# Altium PCB NeuroPico Hub.PcbDoc (part 4 of 5)
Units mm, origin at the board's own origin, x right, y up, seen from the top; angles counter-clockwise.
Board outline 60 x 84 mm, 6 copper layers (Top Layer, Layer 2, Layer 3, Layer 4, Layer 5, Bottom Layer), stack 1.611 mm thick; 397 components, 237 nets, 1370 pads, 631 vias.
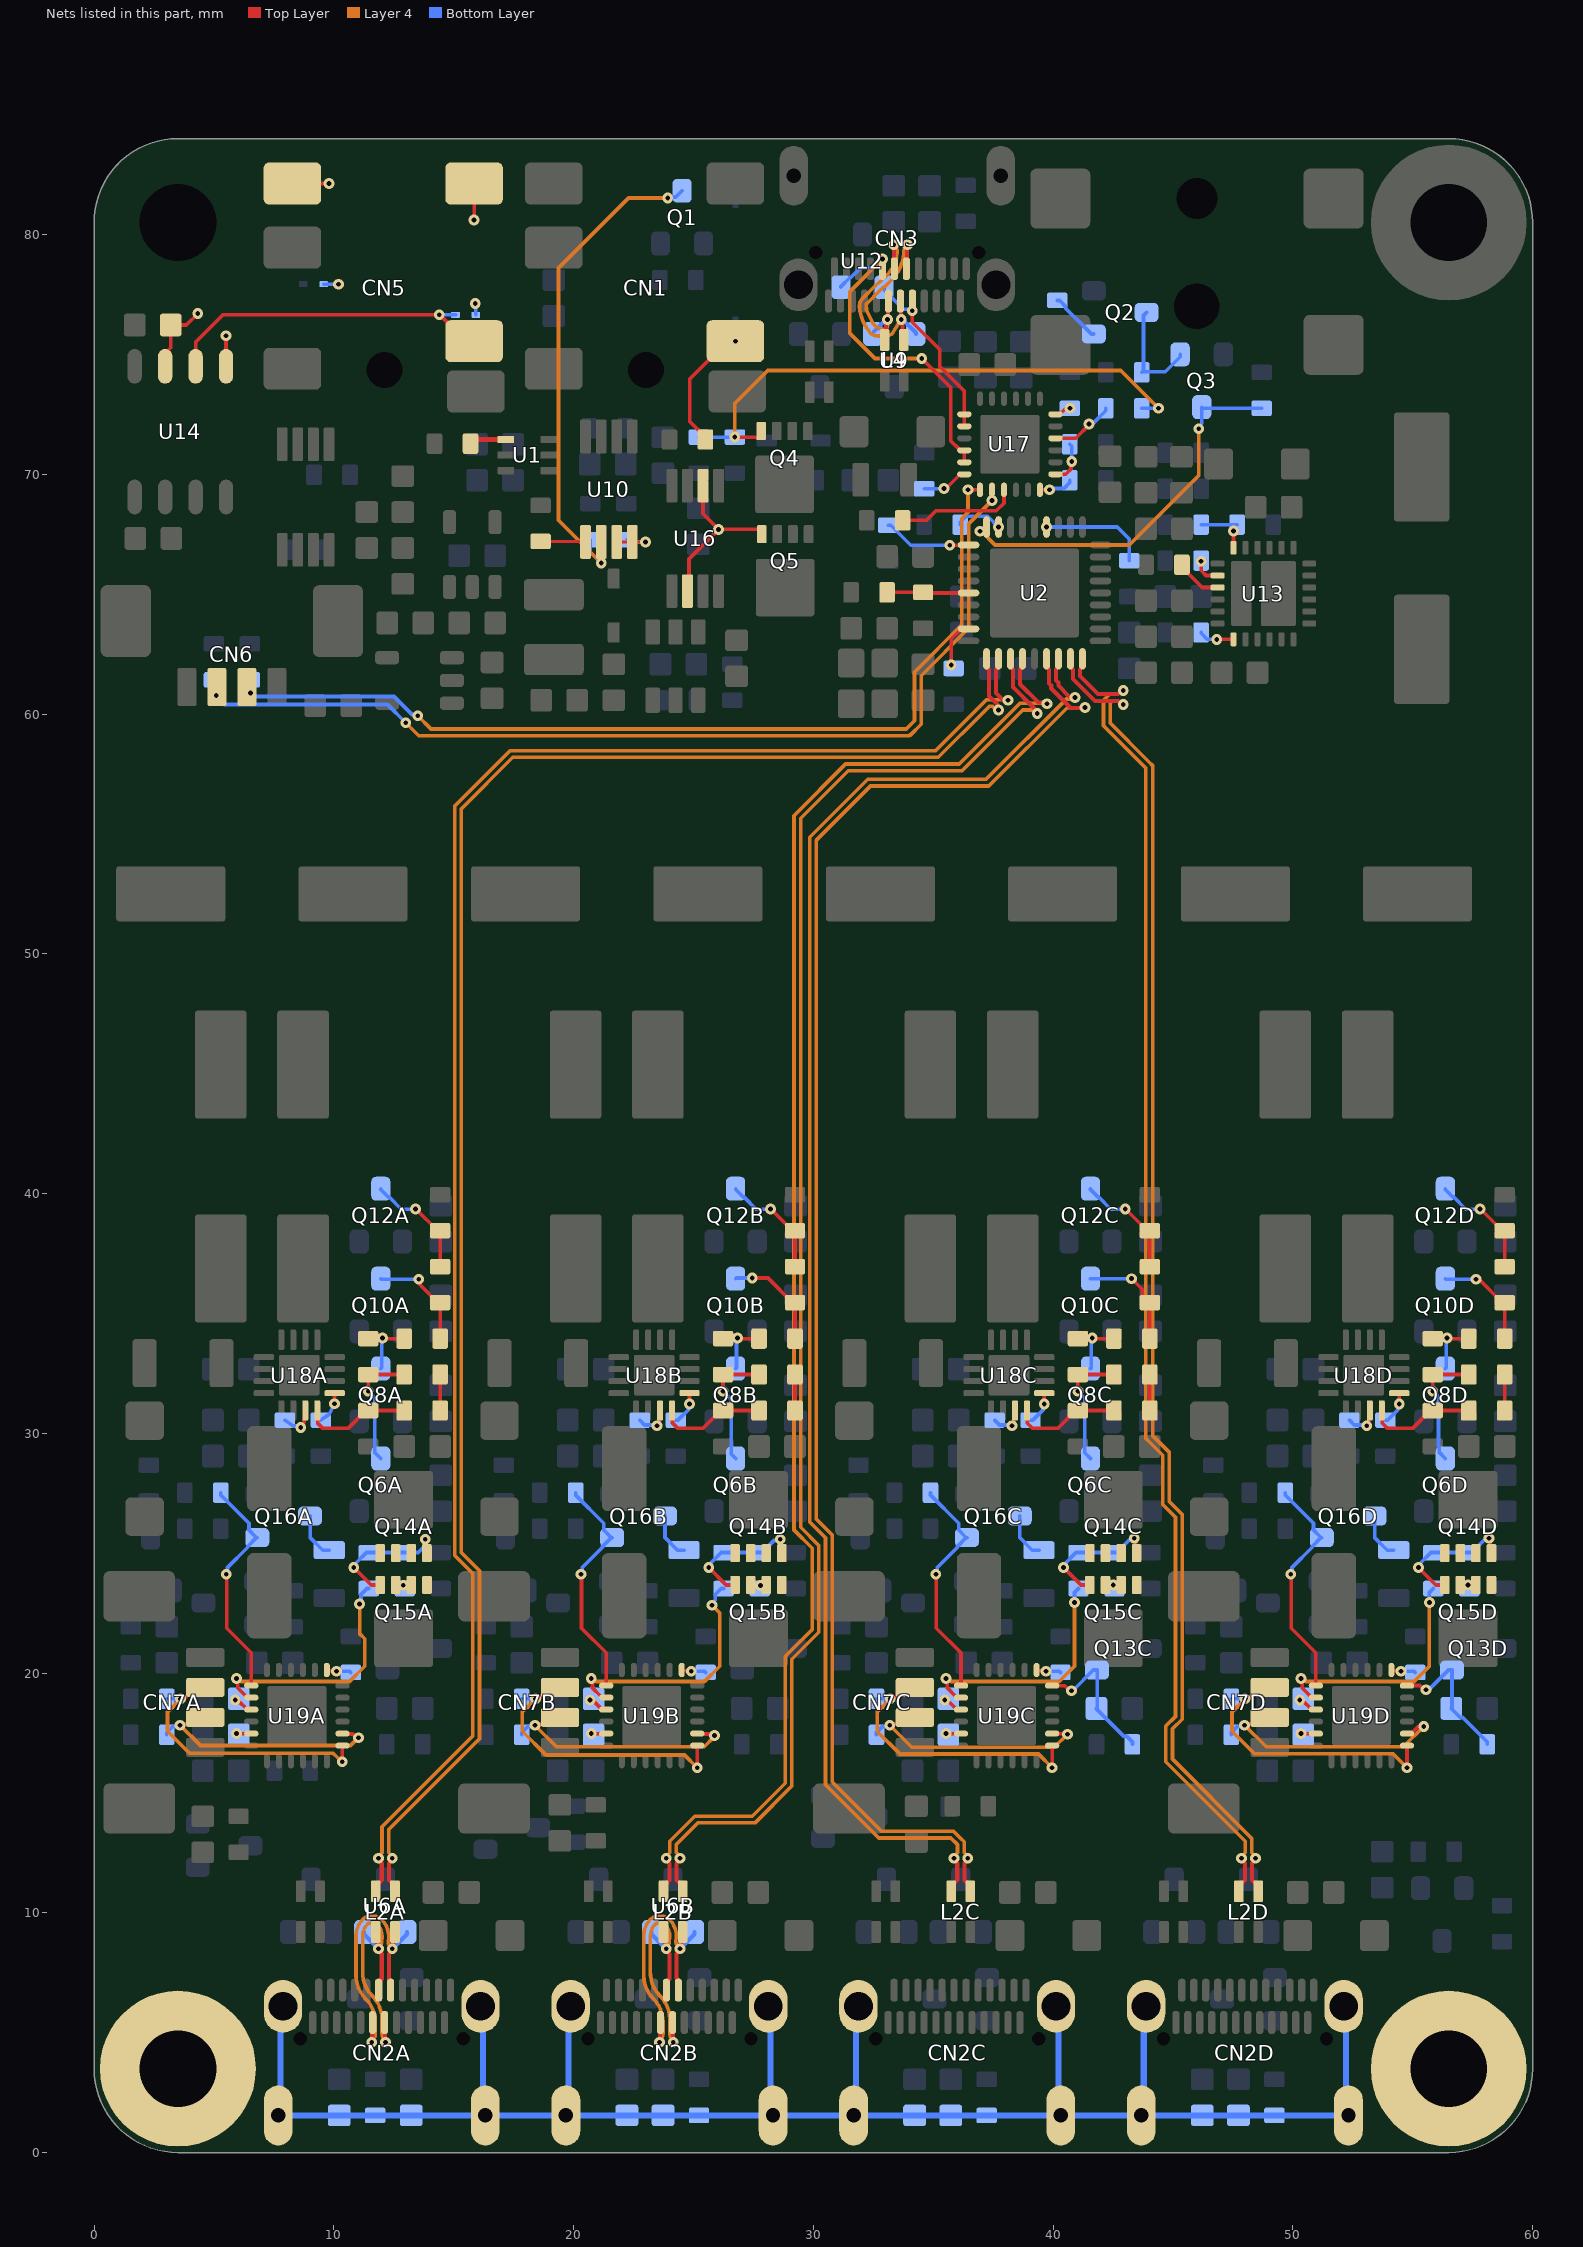
[diagram p8: the nets of this part, all layers, seen from the top]

## Via types
v1: diameter 0.45, hole 0.2, Top Layer to Bottom Layer, tented both sides, 570 vias
v2: diameter 0.5, hole 0.2, Top Layer to Bottom Layer, tented both sides, 38 vias
v3: diameter 0.61, hole 0.305, Top Layer to Bottom Layer, tented both sides, 23 vias

## Nets (pads, with @x,y where several pads share a name; then routed paths per layer and width w, separated by ;. In a path a pad name is that pad's centre, name@x,y a point inside that pad or via, vN(x,y) a via of type N, cw(c..) or ccw(c..) an arc to the next point about the centre after c; other vN are vias at no path point) (continued)
NetC62C_2: C62C.2 Q13C.1 R57C.1 U19C.12 | length 6
  Top Layer w0.152: U19C.12@40.1,19.475 40.489,19.475 40.698,19.265 v1(40.765,19.265)
  Bottom Layer w0.152: v1(40.765,19.265) 40.82,19.265 41.68,20.125 Q13C.1@41.835,20.125 41.835,18.55 C62C.2@41.81,18.525 41.81,18.5 42.939,17.371 43.062,17.371 43.31,17.122 R57C.1@43.31,17.025
NetC62D_2: C62D.2 Q13D.1 R57D.1 U19D.12 | length 6.1
  Top Layer w0.152: U19D.12@54.76,19.475 54.763,19.478 55.292,19.478 55.469,19.3 v1(55.55,19.3)
  Bottom Layer w0.152: v1(55.55,19.3) 55.607,19.357 55.723,19.357 56.491,20.125 Q13D.1@56.635,20.125 56.635,18.55 C62D.2@56.61,18.525 56.61,18.52 56.981,18.149 57.086,18.149 58.11,17.125 R57D.1@58.11,17.025
NetC65A_1: C65A.1 U19A.23 | length 0.6
  Top Layer w0.152: v1(5.935,17.475) U19A.23@6.56,17.475
NetC65B_1: C65B.1 U19B.23 | length 0.6
  Top Layer w0.152: v1(20.735,17.475) U19B.23@21.36,17.475
NetC65C_1: C65C.1 U19C.23 | length 0.6
  Top Layer w0.152: v1(35.535,17.475) U19C.23@36.16,17.475
NetC65D_1: C65D.1 U19D.23 | length 0.6
  Top Layer w0.152: v1(50.335,17.475) U19D.23@50.96,17.475
NetC66A_1: C66A.1 U19A.21 | length 0.8
  Top Layer w0.152: v1(5.885,18.875) 5.985,18.875 6.385,18.475 U19A.21@6.56,18.475
NetC66B_1: C66B.1 U19B.21 | length 0.8
  Top Layer w0.152: v1(20.685,18.875) 20.785,18.875 21.185,18.475 U19B.21@21.36,18.475
NetC66C_1: C66C.1 U19C.21 | length 0.8
  Top Layer w0.152: v1(35.485,18.875) 35.585,18.875 35.985,18.475 U19C.21@36.16,18.475
NetC66D_1: C66D.1 U19D.21 | length 0.8
  Top Layer w0.152: v1(50.285,18.875) 50.385,18.875 50.785,18.475 U19D.21@50.96,18.475
NetCN1_2: CN1.2 D2.2 R1.2 | length 5.3
  Top Layer w0.152: R1.2@25.5,71.45 25.5,71.55 24.85,72.2 24.85,73.975 26.425,75.55 v1(26.75,75.55)
NetCN3_A5: CN3.A5 U12.1 U17.1 U17.2 | length 7.8
  Top Layer w0.152: CN3.A5@34.13,77.225 v1(34.13,76.819) 34.13,76.345 35.266,75.209 35.266,74.509 36.3,73.475 U17.1@36.3,72.5 U17.2@36.3,72
  Bottom Layer w0.152: U12.1@32.95,77.8 32.95,77.7 33.774,76.876 34.073,76.876 v1(34.13,76.819)
NetCN3_B5: CN3.B5 U12.2 U17.4 U17.5 | length 14.5
  Top Layer w0.152: v1(34.525,74.825) 35.725,73.625 35.725,71.4 36.093,71.032 36.268,71.032 U17.4@36.3,71 U17.5@36.3,70.5
  Layer 4 w0.152: v1(32.88,78.98) 31.525,77.626 31.525,75.875 32.575,74.825 v1(34.525,74.825)
  Bottom Layer w0.152: U12.2@31.15,77.8 31.15,77.833 31.518,78.201 31.551,78.201 31.968,78.618 32.517,78.618 v1(32.88,78.98)
NetCN5_2: CN5.2 D8.2 U14.6 | length 14.2
  Top Layer w0.152: U14.6@4.235,74.5 4.235,75.51 5.375,76.65 v1(14.4,76.65) ; v1@14.45,76.625 15.525,75.55 CN5.2@15.85,75.55
  Bottom Layer w0.152: v1(14.4,76.65) D8.2@15.075,76.65
NetCN6_2: CN6.2 R39.1 U17.7 | length 40.1
  Top Layer w0.152: v1(36.45,69.35) U17.7@36.95,69.35
  Layer 4 w0.152: v1(13.5,59.925) 14.05,59.375 33.875,59.375 34.221,59.721 34.221,61.746 36.196,63.721 36.196,68.158 36.45,68.412 v1(36.45,69.35)
  Bottom Layer w0.152: v1@6.5,60.856 R39.1@6.5,61.425 ; v1(6.525,60.881) 6.606,60.881 6.757,60.73 12.511,60.73 13.259,59.982 13.443,59.982 v1(13.5,59.925)
NetCN6_3: CN6.3 R40.1 U17.8 | length 41.7
  Layer 4 w0.152: v1(13.003,59.632) 13.54,59.096 33.991,59.096 34.02,59.125 34.05,59.125 34.5,59.575 34.5,61.6 36.475,63.575 36.475,67.928 v1(37.45,68.903)
  Bottom Layer w0.152: v1(13.003,59.632) 12.235,60.4 5.425,60.4 5.075,60.75 v1(5.1,60.775) 5.1,61.257 R40.1@5.1,61.325 ; R40.1@5.1,61.325 R40.1@5,61.425 R40.1@5.1,61.325
NetCN7A_2: CN7A.2 R63A.1 U19A.7 | length 11.9
  Top Layer w0.152: v1(3.61,18.925) 3.667,18.982 3.804,18.982 4.222,19.4 CN7A.2@4.635,19.4 ; v1(10.352,16.303) 10.352,16.975 U19A.7@10.36,16.975
  Layer 4 w0.152: v1(3.61,18.925) 3.06,18.375 3.06,17.575 3.985,16.65 9.975,16.65 v1(10.352,16.303)
  Bottom Layer w0.152: R63A.1@3.035,18.925 v1(3.61,18.925)
NetCN7A_3: CN7A.3 R64A.1 U19A.8 | length 10.6
  Top Layer w0.152: v1(3.585,17.825) 3.636,17.876 4.361,17.876 CN7A.3@4.635,18.15 ; U19A.8@10.36,17.475 10.561,17.475 10.58,17.456 10.788,17.456 10.944,17.3 v1(11.025,17.3)
  Layer 4 w0.152: v1(3.585,17.825) 4.435,16.975 10.7,16.975 v1(11.025,17.3)
  Bottom Layer w0.152: R64A.1@3.035,17.425 3.035,17.52 3.283,17.768 3.528,17.768 v1(3.585,17.825)
NetCN7B_2: CN7B.2 R63B.1 U19B.7 | length 12.2
  Top Layer w0.152: v1(18.41,18.925) 18.467,18.982 18.604,18.982 19.022,19.4 CN7B.2@19.435,19.4 ; v1(25.16,16.05) U19B.7@25.16,16.975
  Layer 4 w0.152: v1(18.41,18.925) 17.86,18.375 17.86,17.575 18.854,16.581 24.629,16.581 v1(25.16,16.05)
  Bottom Layer w0.152: R63B.1@17.835,18.925 v1(18.41,18.925)
NetCN7B_3: CN7B.3 R64B.1 U19B.8 | length 10.8
  Top Layer w0.152: v1(18.385,17.825) 18.436,17.876 19.161,17.876 CN7B.3@19.435,18.15 ; U19B.8@25.16,17.475 25.179,17.456 25.819,17.456 v1(25.875,17.4)
  Layer 4 w0.152: v1(18.385,17.825) 19.285,16.925 25.45,16.925 25.875,17.35 v1(25.875,17.4)
  Bottom Layer w0.152: R64B.1@17.835,17.425 17.835,17.52 18.083,17.768 18.328,17.768 v1(18.385,17.825)
NetCN7C_2: CN7C.2 R63C.1 U19C.7 | length 12.2
  Top Layer w0.152: v1(33.21,18.925) 33.267,18.982 33.404,18.982 33.822,19.4 CN7C.2@34.235,19.4 ; v1(39.96,16.05) U19C.7@39.96,16.975
  Layer 4 w0.152: v1(33.21,18.925) 32.66,18.375 32.66,17.575 33.614,16.621 39.389,16.621 v1(39.96,16.05)
  Bottom Layer w0.152: R63C.1@32.635,18.925 v1(33.21,18.925)
NetCN7C_3: CN7C.3 R64C.1 U19C.8 | length 10.6
  Top Layer w0.152: v1(33.185,17.825) 33.236,17.876 33.961,17.876 CN7C.3@34.235,18.15 ; U19C.8@39.96,17.475 39.973,17.463 40.587,17.463 v1(40.6,17.45)
  Layer 4 w0.152: v1(33.185,17.825) 34.11,16.9 40.05,16.9 v1(40.6,17.45)
  Bottom Layer w0.152: R64C.1@32.635,17.425 32.635,17.52 32.883,17.768 33.128,17.768 v1(33.185,17.825)
NetCN7D_2: CN7D.2 R63D.1 U19D.7 | length 12.2
  Top Layer w0.152: v1(48.01,18.925) 48.067,18.982 48.204,18.982 48.622,19.4 CN7D.2@49.035,19.4 ; v1(54.76,16.05) U19D.7@54.76,16.975
  Layer 4 w0.152: v1(48.01,18.925) 47.46,18.375 47.46,17.575 48.401,16.634 54.176,16.634 v1(54.76,16.05)
  Bottom Layer w0.152: R63D.1@47.435,18.925 v1(48.01,18.925)
NetCN7D_3: CN7D.3 R64D.1 U19D.8 | length 11
  Top Layer w0.152: v1(47.985,17.825) 48.036,17.876 48.761,17.876 CN7D.3@49.035,18.15 ; U19D.8@54.76,17.475 54.935,17.475 55.235,17.775 v1(55.46,17.775)
  Layer 4 w0.152: v1(47.985,17.825) 48.885,16.925 54.61,16.925 v1(55.46,17.775)
  Bottom Layer w0.152: R64D.1@47.435,17.425 47.435,17.52 47.683,17.768 47.928,17.768 v1(47.985,17.825)
NetQ1_3: Q1.3 R21.2 U10.2 | length 21.6
  Top Layer w0.152: v1(21.15,66.3) U10.2@21.15,67.175
  Layer 4 w0.152: v1(21.15,66.3) 19.372,68.078 19.372,78.602 22.294,81.525 v1(23.925,81.525)
  Bottom Layer w0.152: R21.2@20.7,67.275 20.7,66.75 v1(21.15,66.3) ; v1(23.925,81.525) 23.963,81.563 24.263,81.563 Q1.3@24.525,81.825
NetQ2_1: Q2.1 R17.2 | length 2.1
  Bottom Layer w0.152: R17.2@40.175,77.25 40.272,77.25 40.521,77.002 40.521,76.929 41.6,75.85 Q2.1@41.7,75.85
NetQ2_3: Q2.3 Q3.1 R15.2 | length 4.5
  Bottom Layer w0.152: R15.2@43.7,74.25 R15.2@43.725,74.275 ; Q2.3@43.9,76.75 43.772,76.622 43.772,74.322 R15.2@43.725,74.275 ; Q3.1@45.3,75 45.3,74.9 44.675,74.275 R15.2@43.725,74.275
NetQ3_3: Q3.3 R16.2 U2.27 | length 16.4
  Top Layer w0.152: v1(36.95,67.625) 37.166,67.625 37.225,67.684 U2.27@37.225,67.8
  Layer 4 w0.152: v1(36.95,67.625) 37,67.625 37.575,67.05 43.175,67.05 46.075,69.95 v1(46.075,71.9)
  Bottom Layer w0.152: v1(46.075,71.9) 46.075,71.981 46.2,72.106 Q3.3@46.2,72.8 46.25,72.75 R16.2@48.7,72.75
NetQ4_4: Q4.4 R31.1 R32.1 R33.2 | length 23.8
  Top Layer w0.152: v1(26.725,71.55) 27.701,71.551 27.825,71.674 Q4.4@27.825,71.8
  Layer 4 w0.152: v1(26.725,71.55) 26.725,72.95 28.1,74.325 42.825,74.325 v1(44.4,72.75)
  Bottom Layer w0.152: R32.1@25.225,71.55 v1(26.725,71.55) ; R33.2@43.7,72.75 v1(44.4,72.75)
NetQ5_4: Q5.4 U16.2 U16.6 | length 7.1
  Top Layer w0.152: U16.6@24.75,65.125 24.814,65.189 24.814,66.464 v1(26.05,67.7) ; U16.2@25.4,69.525 25.4,68.35 v1(26.05,67.7) ; Q5.4@27.85,67.5 27.85,67.576 27.726,67.7 v1(26.05,67.7)
NetQ6A_3: Q6A.3 R45A.1 R46A.2 | length 5.2
  Top Layer w0.152: v1(11.435,31.75) R46A.2@11.435,32.45 R45A.1@12.935,32.45
  Bottom Layer w0.152: v1(11.435,31.75) 11.7,31.485 11.7,29.463 11.713,29.45 11.713,29.197 Q6A.3@11.96,28.95
NetQ6B_3: Q6B.3 R45B.1 R46B.2 | length 5.9
  Top Layer w0.152: R45B.1@27.735,32.45 R46B.2@26.235,32.45 ; R46B.2@26.235,32.45 v1(26.235,31.75) R46B.2@26.235,32.45
  Bottom Layer w0.152: v1(26.235,31.75) 26.575,31.41 26.575,29.135 Q6B.3@26.76,28.95
NetQ6C_3: Q6C.3 R45C.1 R46C.2 | length 5.9
  Top Layer w0.152: R45C.1@42.535,32.45 R46C.2@41.035,32.45 ; R46C.2@41.035,32.45 v1(41.035,31.75) R46C.2@41.035,32.45
  Bottom Layer w0.152: v1(41.035,31.75) 41.325,31.46 41.325,29.185 Q6C.3@41.56,28.95
NetQ6D_3: Q6D.3 R45D.1 R46D.2 | length 5.9
  Top Layer w0.152: R45D.1@57.335,32.45 R46D.2@55.835,32.45 ; R46D.2@55.835,32.45 v1(55.835,31.75) R46D.2@55.835,32.45
  Bottom Layer w0.152: v1(55.835,31.75) 56.075,31.51 56.075,29.463 56.113,29.425 56.113,29.197 Q6D.3@56.36,28.95
NetQ8A_3: Q8A.3 R46A.1 R47A.2 | length 2.8
  Top Layer w0.152: R46A.1@11.435,33.95 11.46,33.975 v1(12.035,33.975) ; v1@12.01,33.95 R47A.2@12.935,33.95
  Bottom Layer w0.152: Q8A.3@11.96,32.7 11.997,32.738 11.997,33.937 v1(12.035,33.975)
NetQ8B_3: Q8B.3 R46B.1 R47B.2 | length 4.8
  Top Layer w0.152: v1@26.81,33.95 R47B.2@27.735,33.95 ; R46B.1@26.26,33.975 R46B.1@26.235,33.95 R46B.1@26.26,33.975 ; R46B.1@26.26,33.975 v1(26.835,33.975) R46B.1@26.26,33.975
  Bottom Layer w0.152: Q8B.3@26.797,32.738 v1@26.797,33.937 ; Q8B.3@26.797,32.738 Q8B.3@26.76,32.7 Q8B.3@26.797,32.738 ; Q8B.3@26.797,32.738 v1@26.797,33.937 ; v1@26.797,33.937 v1(26.835,33.975) v1@26.797,33.937
NetQ8C_3: Q8C.3 R46C.1 R47C.2 | length 4.8
  Top Layer w0.152: v1@41.61,33.95 R47C.2@42.535,33.95 ; R46C.1@41.06,33.975 v1(41.635,33.975) R46C.1@41.06,33.975 ; R46C.1@41.06,33.975 R46C.1@41.035,33.95 R46C.1@41.06,33.975
  Bottom Layer w0.152: Q8C.3@41.598,32.738 Q8C.3@41.56,32.7 Q8C.3@41.598,32.738 ; Q8C.3@41.598,32.738 v1@41.598,33.937 ; Q8C.3@41.598,32.738 v1@41.598,33.937 ; v1@41.598,33.937 v1(41.635,33.975) v1@41.598,33.937
NetQ8D_3: Q8D.3 R46D.1 R47D.2 | length 4.8
  Top Layer w0.152: v1@56.41,33.95 R47D.2@57.335,33.95 ; R46D.1@55.86,33.975 v1(56.435,33.975) R46D.1@55.86,33.975 ; R46D.1@55.86,33.975 R46D.1@55.835,33.95 R46D.1@55.86,33.975
  Bottom Layer w0.152: Q8D.3@56.398,32.738 v1@56.398,33.937 ; Q8D.3@56.398,32.738 Q8D.3@56.36,32.7 Q8D.3@56.398,32.738 ; Q8D.3@56.398,32.738 v1@56.398,33.937 ; v1@56.398,33.937 v1(56.435,33.975) v1@56.398,33.937
NetQ10A_3: Q10A.3 R47A.1 R48A.2 | length 4.5
  Top Layer w0.152: v1(13.545,36.425) 13.601,36.368 13.601,36.184 14.335,35.45 R48A.2@14.435,35.45 R47A.1@14.435,33.95
  Bottom Layer w0.152: Q10A.3@11.96,36.45 11.985,36.425 v1(13.545,36.425)
NetQ10B_3: Q10B.3 R47B.1 R48B.2 | length 4.4
  Top Layer w0.152: v1(27.45,36.475) 28.11,36.475 29.135,35.45 R48B.2@29.235,35.45 R47B.1@29.235,33.95
  Bottom Layer w0.152: Q10B.3@26.76,36.45 26.785,36.475 v1(27.45,36.475)
NetQ10C_3: Q10C.3 R47C.1 R48C.2 | length 4.6
  Top Layer w0.152: v1(43.275,36.45) 43.721,36.004 43.721,35.698 43.97,35.45 R48C.2@44.035,35.45 R47C.1@44.035,33.95
  Bottom Layer w0.152: Q10C.3@41.56,36.45 v1(43.275,36.45)
NetQ10D_3: Q10D.3 R47D.1 R48D.2 | length 7.2
  Top Layer w0.152: R47D.1@58.835,33.95 R48D.2@58.835,35.45 R48D.2@58.735,35.45 ; v1@57.692,36.368 v1(57.635,36.425) v1@57.692,36.368 ; v1@57.692,36.368 v1@57.817,36.368 ; v1@57.692,36.368 v1@57.817,36.368 ; v1@57.817,36.368 R48D.2@58.735,35.45 ; v1@57.817,36.368 R48D.2@58.735,35.45
  Bottom Layer w0.152: Q10D.3@56.385,36.425 Q10D.3@56.36,36.45 Q10D.3@56.385,36.425 ; Q10D.3@56.385,36.425 v1(57.635,36.425) Q10D.3@56.385,36.425
NetQ12A_3: Q12A.3 R48A.1 R49A.2 | length 4.7
  Top Layer w0.152: v1(13.41,39.35) 13.432,39.35 14.332,38.45 R49A.2@14.435,38.45 R48A.1@14.435,36.95
  Bottom Layer w0.152: Q12A.3@11.96,40.2 11.96,40.167 12.274,39.853 12.307,39.853 12.81,39.35 v1(13.41,39.35)
NetQ12B_3: Q12B.3 R48B.1 R49B.2 | length 7.8
  Top Layer w0.152: R48B.1@29.235,36.95 R49B.2@29.235,38.45 R49B.2@29.132,38.45 ; v1@28.232,39.35 v1(28.21,39.35) v1@28.232,39.35 ; v1@28.232,39.35 R49B.2@29.132,38.45 ; v1@28.232,39.35 R49B.2@29.132,38.45
  Bottom Layer w0.152: Q12B.3@26.76,40.167 Q12B.3@27.074,39.853 ; Q12B.3@26.76,40.167 Q12B.3@26.76,40.2 Q12B.3@26.76,40.167 ; Q12B.3@26.76,40.167 Q12B.3@27.074,39.853 ; Q12B.3@27.074,39.853 Q12B.3@27.107,39.853 ; Q12B.3@27.074,39.853 Q12B.3@27.107,39.853 ; Q12B.3@27.107,39.853 27.61,39.35 ; Q12B.3@27.107,39.853 27.61,39.35 ; 27.61,39.35 v1(28.21,39.35) 27.61,39.35
NetQ12C_3: Q12C.3 R48C.1 R49C.2 | length 7.8
  Top Layer w0.152: R48C.1@44.035,36.95 R49C.2@44.035,38.45 R49C.2@43.932,38.45 ; v1@43.032,39.35 R49C.2@43.932,38.45 ; v1@43.032,39.35 v1(43.01,39.35) v1@43.032,39.35 ; v1@43.032,39.35 R49C.2@43.932,38.45
  Bottom Layer w0.152: Q12C.3@41.56,40.167 Q12C.3@41.874,39.853 ; Q12C.3@41.56,40.167 Q12C.3@41.56,40.2 Q12C.3@41.56,40.167 ; Q12C.3@41.56,40.167 Q12C.3@41.874,39.853 ; Q12C.3@41.874,39.853 Q12C.3@41.907,39.853 ; Q12C.3@41.874,39.853 Q12C.3@41.907,39.853 ; Q12C.3@41.907,39.853 42.41,39.35 ; Q12C.3@41.907,39.853 42.41,39.35 ; 42.41,39.35 v1(43.01,39.35) 42.41,39.35
NetQ12D_3: Q12D.3 R48D.1 R49D.2 | length 7.8
  Top Layer w0.152: R48D.1@58.835,36.95 R49D.2@58.835,38.45 R49D.2@58.732,38.45 ; v1@57.832,39.35 v1(57.81,39.35) v1@57.832,39.35 ; v1@57.832,39.35 R49D.2@58.732,38.45 ; v1@57.832,39.35 R49D.2@58.732,38.45
  Bottom Layer w0.152: Q12D.3@56.36,40.167 Q12D.3@56.36,40.2 Q12D.3@56.36,40.167 ; Q12D.3@56.36,40.167 Q12D.3@56.674,39.853 ; Q12D.3@56.36,40.167 Q12D.3@56.674,39.853 ; Q12D.3@56.674,39.853 Q12D.3@56.707,39.853 ; Q12D.3@56.674,39.853 Q12D.3@56.707,39.853 ; Q12D.3@56.707,39.853 57.21,39.35 ; Q12D.3@56.707,39.853 57.21,39.35 ; 57.21,39.35 v1(57.81,39.35) 57.21,39.35
NetQ14A_1,2,3: Q14A.1 Q14A.2 Q14A.3 Q15A.1 Q15A.2 Q15A.3 R59A.2
  other v1: 12.899,23.664
NetQ14A_4: Q14A.4 Q15A.4 R59A.1 R60A.2 | length 5.7
  Top Layer w0.152: v1(10.835,24.4) 11.56,23.675 Q15A.4@11.935,23.675 ; v1(13.817,25.582) 13.851,25.548 13.851,25.034 Q14A.4@13.885,25
  Bottom Layer w0.152: v1(10.835,24.4) 10.892,24.457 10.892,24.557 11.36,25.025 R60A.2@11.46,25.025 13.525,25.025 13.76,25.26 13.76,25.525 v1(13.817,25.582)
NetQ14B_1,2,3: Q14B.1 Q14B.2 Q14B.3 Q15B.1 Q15B.2 Q15B.3 R59B.2
  other v1: 27.8,23.65
NetQ14B_4: Q14B.4 Q15B.4 R59B.1 R60B.2 | length 5.5
  Top Layer w0.152: v1(25.635,24.4) 26.36,23.675 Q15B.4@26.735,23.675 ; v1(28.617,25.582) 28.651,25.548 28.651,25.034 Q14B.4@28.685,25
  Bottom Layer w0.152: v1(25.635,24.4) 25.692,24.457 25.692,24.557 26.16,25.025 R60B.2@26.26,25.025 27.863,25.025 27.863,25.028 28.36,25.525 28.56,25.525 v1(28.617,25.582)
NetQ14C_1,2,3: Q14C.1 Q14C.2 Q14C.3 Q15C.1 Q15C.2 Q15C.3 R59C.2
  other v1: 42.51,23.675
NetQ14C_4: Q14C.4 Q15C.4 R59C.1 R60C.2 | length 5.6
  Top Layer w0.152: v1(40.435,24.4) 41.16,23.675 Q15C.4@41.535,23.675 ; v1(43.383,25.623) 43.434,25.572 43.434,25.051 Q14C.4@43.485,25
  Bottom Layer w0.152: v1(40.435,24.4) 40.492,24.457 40.492,24.557 40.96,25.025 R60C.2@41.06,25.025 42.663,25.025 42.663,25.028 43.201,25.566 43.326,25.566 v1(43.383,25.623)
NetQ14D_1,2,3: Q14D.1 Q14D.2 Q14D.3 Q15D.1 Q15D.2 Q15D.3 R59D.2
  other v1: 57.31,23.675
NetQ14D_4: Q14D.4 Q15D.4 R59D.1 R60D.2 | length 5.6
  Top Layer w0.152: v1(55.235,24.4) 55.96,23.675 Q15D.4@56.335,23.675 ; v1(58.183,25.623) 58.234,25.572 58.234,25.051 Q14D.4@58.285,25
  Bottom Layer w0.152: v1(55.235,24.4) 55.292,24.457 55.292,24.557 55.76,25.025 R60D.2@55.86,25.025 57.463,25.025 57.463,25.028 58.001,25.566 58.126,25.566 v1(58.183,25.623)
NetQ16A_1: Q16A.1 R58A.1 U19A.19 | length 9.6
  Top Layer w0.152: v1(5.51,24.125) 5.532,24.103 5.532,21.873 6.56,20.844 U19A.19@6.56,19.475
  Bottom Layer w0.152: R58A.1@5.285,27.525 5.285,27.425 6.463,26.247 6.463,25.964 Q16A.1@6.737,25.69 ; v1(5.51,24.125) 5.566,24.181 5.566,24.406 6.409,25.249 6.409,25.282 6.777,25.65 Q16A.1@6.81,25.65
NetQ16A_3: Q16A.3 R61A.2 | length 1.9
  Bottom Layer w0.152: Q16A.3@9.01,26.55 9.01,25.65 9.535,25.125 R61A.2@9.81,25.125
NetQ16B_1: Q16B.1 R58B.1 U19B.19 | length 9.6
  Top Layer w0.152: v1(20.31,24.125) 20.332,24.103 20.332,21.873 21.36,20.844 U19B.19@21.36,19.475
  Bottom Layer w0.152: R58B.1@20.085,27.525 20.085,27.425 21.263,26.247 21.263,25.964 Q16B.1@21.537,25.69 ; v1(20.31,24.125) 20.366,24.181 20.366,24.406 21.209,25.249 21.209,25.282 21.577,25.65 Q16B.1@21.61,25.65
NetQ16B_3: Q16B.3 R61B.2 | length 1.9
  Bottom Layer w0.152: Q16B.3@23.81,26.55 23.81,25.65 24.335,25.125 R61B.2@24.61,25.125
NetQ16C_1: Q16C.1 R58C.1 U19C.19 | length 9.6
  Top Layer w0.152: v1(35.11,24.125) 35.132,24.103 35.132,21.873 36.16,20.844 U19C.19@36.16,19.475
  Bottom Layer w0.152: R58C.1@34.885,27.525 34.885,27.425 36.063,26.247 36.063,25.964 Q16C.1@36.337,25.69 ; v1(35.11,24.125) 35.166,24.181 35.166,24.406 36.009,25.249 36.009,25.282 36.377,25.65 Q16C.1@36.41,25.65
NetQ16C_3: Q16C.3 R61C.2 | length 1.9
  Bottom Layer w0.152: Q16C.3@38.61,26.55 38.61,25.65 39.135,25.125 R61C.2@39.41,25.125
NetQ16D_1: Q16D.1 R58D.1 U19D.19 | length 9.6
  Top Layer w0.152: v1(49.91,24.125) 49.932,24.103 49.932,21.873 50.96,20.844 U19D.19@50.96,19.475
  Bottom Layer w0.152: R58D.1@49.685,27.525 49.685,27.425 50.863,26.247 50.863,25.964 Q16D.1@51.137,25.69 ; v1(49.91,24.125) 49.966,24.181 49.966,24.406 50.809,25.249 50.809,25.282 51.177,25.65 Q16D.1@51.21,25.65
NetQ16D_3: Q16D.3 R61D.2 | length 1.9
  Bottom Layer w0.152: Q16D.3@53.41,26.55 53.41,25.65 53.935,25.125 R61D.2@54.21,25.125
NetR2_2: R2.2 U1.4 | length 1.5
  Top Layer w0.203: R2.2@15.7,71.275 15.875,71.45 U1.4@17.175,71.45
NetR4_2: R4.2 R5.2 U2.32 | length 3.4
  Top Layer w0.152: R5.2@33.075,65.075 R4.2@34.575,65.075 34.6,65.05 U2.32@36.475,65.05
NetR7_2: R7.2 U2.35 | length 2
  Top Layer w0.152: v1(35.75,62.05) 35.75,63.135 36.123,63.508 36.433,63.508 U2.35@36.475,63.55
NetR19_1: R19.1 U10.1 | length 1.9
  Top Layer w0.13: R19.1@18.625,67.2 20.475,67.2 U10.1@20.5,67.175
NetR20_2: R20.2 U10.3 U10.4 | length 2
  Top Layer w0.13: U10.3@21.8,67.175 U10.4@22.45,67.175 v1(23,67.175)
  Bottom Layer w0.13: R20.2@22.2,67.275 22.3,67.175 v1(23,67.175)
NetR23_1: R23.1 R25.2 U13.6 | length 2.2
  Top Layer w0.152: U13.6@47.525,66.937 v1(47.525,67.637)
  Bottom Layer w0.152: R25.2@46.175,67.9 R23.1@47.675,67.9
NetR24_1: R24.1 U13.13 | length 1.5
  Top Layer w0.152: v1(46.825,63.112) U13.13@47.525,63.112
  Bottom Layer w0.152: R24.1@46.175,63.4 46.175,63.371 46.423,63.122 46.815,63.122 v1(46.825,63.112)
NetR26_1: R26.1 U13.8 | length 1.2
  Top Layer w0.152: v1(46.175,66.375) 46.175,65.975 46.375,65.775 U13.8@46.863,65.775
NetR27_2: R27.2 U13.9 | length 1.9
  Top Layer w0.152: R27.2@45.375,66.225 45.375,66.125 46.225,65.275 U13.9@46.863,65.275
NetR33_1: R33.1 U17.16 | length 2.7
  Top Layer w0.152: U17.16@40.1,71.5 40.95,71.5 41.5,72.05 v1(41.5,72.1)
  Bottom Layer w0.152: v1(41.5,72.1) 41.557,72.157 41.707,72.157 42.2,72.65 R33.1@42.2,72.75
NetR34_1: R34.1 U17.9 | length 5.1
  Top Layer w0.152: R34.1@33.725,68.075 34.712,68.075 35.112,68.475 37.631,68.475 37.95,68.794 U17.9@37.95,69.35
NetR35_1: R35.1 U17.18 | length 0.7
  Top Layer w0.152: U17.18@40.1,72.5 40.275,72.5 40.525,72.75 v1(40.7,72.75)
NetR36_2: R36.2 U17.6 | length 1.9
  Top Layer w0.152: v1(35.45,69.4) 35.525,69.4 36.125,70 U17.6@36.3,70
  Bottom Layer w0.152: R36.2@34.625,69.4 v1(35.45,69.4)
NetR37_2: R37.2 U17.12 | length 1.5
  Top Layer w0.152: U17.12@39.45,69.35 v1(39.85,69.35)
  Bottom Layer w0.152: v1(39.85,69.35) 39.907,69.407 40.452,69.407 40.7,69.655 R37.2@40.7,69.75
NetR38_2: R38.2 U17.13 | length 1.8
  Top Layer w0.152: U17.13@40.1,70 40.525,70 40.745,70.22 40.745,70.497 v1(40.775,70.527)
  Bottom Layer w0.152: R38.2@40.7,71.25 40.775,71.175 v1(40.775,70.527)
NetR41A_1: R41A.1 R42A.2 U18A.8 | length 4.5
  Top Layer w0.152: U18A.8@9.31,30.95 9.324,30.936 9.324,30.432 9.551,30.204 10.589,30.204 11.335,30.95 R41A.1@11.435,30.95 R42A.2@12.935,30.95
NetR41B_1: R41B.1 R42B.2 U18B.8 | length 4.5
  Top Layer w0.152: U18B.8@24.11,30.95 24.124,30.936 24.124,30.432 24.351,30.204 25.389,30.204 26.135,30.95 R41B.1@26.235,30.95 R42B.2@27.735,30.95
NetR41C_1: R41C.1 R42C.2 U18C.8 | length 4.5
  Top Layer w0.152: U18C.8@38.91,30.95 38.924,30.936 38.924,30.432 39.151,30.204 40.189,30.204 40.935,30.95 R41C.1@41.035,30.95 R42C.2@42.535,30.95
NetR41D_1: R41D.1 R42D.2 U18D.8 | length 4.5
  Top Layer w0.152: U18D.8@53.71,30.95 53.724,30.936 53.724,30.432 53.951,30.204 54.989,30.204 55.735,30.95 R41D.1@55.835,30.95 R42D.2@57.335,30.95
NetR42A_1: R42A.1 R45A.2 | length 1.5
  Top Layer w0.152: R42A.1@14.435,30.95 R45A.2@14.435,32.45
NetR42B_1: R42B.1 R45B.2 | length 1.5
  Top Layer w0.152: R42B.1@29.235,30.95 R45B.2@29.235,32.45
NetR42C_1: R42C.1 R45C.2 | length 1.5
  Top Layer w0.152: R42C.1@44.035,30.95 R45C.2@44.035,32.45
NetR42D_1: R42D.1 R45D.2 | length 1.5
  Top Layer w0.152: R42D.1@58.835,30.95 R45D.2@58.835,32.45
NetR43A_2: R43A.2 U18A.9 | length 1.4
  Top Layer w0.152: v1(10.025,31.235) 10.025,31.626 U18A.9@10.035,31.675
  Bottom Layer w0.152: R43A.2@9.46,30.55 9.804,30.794 v1(10.025,31.235)
NetR43B_2: R43B.2 U18B.9 | length 1.4
  Top Layer w0.152: v1(24.835,31.225) U18B.9@24.835,31.675
  Bottom Layer w0.152: R43B.2@24.26,30.55 24.357,30.55 24.778,30.971 24.778,31.168 v1(24.835,31.225)
NetR43C_2: R43C.2 U18C.9 | length 1.4
  Top Layer w0.152: v1(39.635,31.225) U18C.9@39.635,31.675
  Bottom Layer w0.152: R43C.2@39.06,30.55 39.157,30.55 39.578,30.971 39.578,31.168 v1(39.635,31.225)
NetR43D_2: R43D.2 U18D.9 | length 1.4
  Top Layer w0.152: v1(54.435,31.225) U18D.9@54.435,31.675
  Bottom Layer w0.152: R43D.2@53.86,30.55 53.957,30.55 54.378,30.971 54.378,31.168 v1(54.435,31.225)
NetR44A_1: R44A.1 U18A.7 | length 1.5
  Top Layer w0.152: v1(8.621,30.236) 8.621,30.317 8.761,30.457 8.761,30.601 U18A.7@8.81,30.95
  Bottom Layer w0.152: R44A.1@7.96,30.55 8.304,30.306 8.306,30.304 8.472,30.304 8.541,30.236 v1(8.621,30.236)
NetR44B_1: R44B.1 U18B.7 | length 1.5
  Top Layer w0.152: v1(23.483,30.313) 23.483,30.393 23.561,30.472 23.561,30.901 U18B.7@23.61,30.95
  Bottom Layer w0.152: R44B.1@22.76,30.55 22.962,30.348 23.448,30.348 v1(23.483,30.313)
NetR44C_1: R44C.1 U18C.7 | length 1.5
  Top Layer w0.152: v1(38.283,30.313) 38.283,30.393 38.361,30.472 38.361,30.901 U18C.7@38.41,30.95
  Bottom Layer w0.152: R44C.1@37.56,30.55 37.762,30.348 38.248,30.348 v1(38.283,30.313)
NetR44D_1: R44D.1 U18D.7 | length 1.5
  Top Layer w0.152: v1(53.083,30.313) 53.083,30.393 53.161,30.472 53.161,30.901 U18D.7@53.21,30.95
  Bottom Layer w0.152: R44D.1@52.36,30.55 52.562,30.348 53.048,30.348 v1(53.083,30.313)
NetR60A_1: R60A.1 U19A.20 | length 10.4
  Top Layer w0.152: v1(5.935,19.775) 5.992,19.718 5.992,19.374 6.313,19.052 6.313,19.047 6.385,18.975 U19A.20@6.56,18.975
  Layer 4 w0.152: v1(5.935,19.775) 6.016,19.775 6.144,19.647 10.657,19.647 11.295,20.285 11.295,21.43 11.075,21.65 v1(11.075,22.875)
  Bottom Layer w0.152: v1(11.075,22.875) 11.132,22.932 11.132,23.277 11.38,23.525 R60A.1@11.46,23.525
NetR60B_1: R60B.1 U19B.20 | length 10.5
  Top Layer w0.152: v1(20.735,19.775) 20.792,19.718 20.792,19.374 21.113,19.052 21.113,19.047 21.185,18.975 U19B.20@21.36,18.975
  Layer 4 w0.152: v1(20.735,19.775) 20.816,19.775 20.944,19.647 25.457,19.647 26.095,20.285 26.095,22.503 25.775,22.823 v1(25.775,22.825)
  Bottom Layer w0.152: v1(25.775,22.825) 25.775,22.906 25.914,23.045 25.914,23.277 26.163,23.525 R60B.1@26.26,23.525
NetR60C_1: R60C.1 U19C.20 | length 10.1
  Top Layer w0.152: v1(35.535,19.775) 35.592,19.718 35.592,19.374 35.913,19.052 35.913,19.047 35.985,18.975 U19C.20@36.16,18.975
  Layer 4 w0.152: v1(35.535,19.775) 35.616,19.775 35.744,19.647 40.257,19.647 40.895,20.285 v1(40.895,22.938)
  Bottom Layer w0.152: v1(40.895,22.938) 40.895,23.36 R60C.1@41.06,23.525
NetR60D_1: R60D.1 U19D.20 | length 10.1
  Top Layer w0.152: v1(50.335,19.775) 50.392,19.718 50.392,19.374 50.713,19.052 50.713,19.047 50.785,18.975 U19D.20@50.96,18.975
  Layer 4 w0.152: v1(50.335,19.775) 50.416,19.775 50.544,19.647 55.057,19.647 55.695,20.285 v1(55.695,22.938)
  Bottom Layer w0.152: v1(55.695,22.938) 55.695,23.36 R60D.1@55.86,23.525
NetR62A_2: R62A.2 U19A.13 | length 1
  Top Layer w0.152: U19A.13@9.71,20.125 9.735,20.1 10.085,20.1 v1(10.11,20.075)
  Bottom Layer w0.152: v1(10.11,20.075) 10.66,20.075 R62A.2@10.71,20.025
NetR62B_2: R62B.2 U19B.13 | length 1
  Top Layer w0.152: U19B.13@24.51,20.125 24.535,20.1 24.885,20.1 v1(24.91,20.075)
  Bottom Layer w0.152: v1(24.91,20.075) 25.46,20.075 R62B.2@25.51,20.025
NetR62C_2: R62C.2 U19C.13 | length 1
  Top Layer w0.152: U19C.13@39.31,20.125 39.335,20.1 39.685,20.1 v1(39.71,20.075)
  Bottom Layer w0.152: v1(39.71,20.075) 40.26,20.075 R62C.2@40.31,20.025
NetR62D_2: R62D.2 U19D.13 | length 1
  Top Layer w0.152: U19D.13@54.11,20.125 54.135,20.1 54.485,20.1 v1(54.51,20.075)
  Bottom Layer w0.152: v1(54.51,20.075) 55.06,20.075 R62D.2@55.11,20.025
NON_REM0: R10.1 U2.28 | length 3.7
  Top Layer w0.152: v1(35.69,67.035) 35.698,67.042 36.467,67.042 U2.28@36.475,67.05
  Bottom Layer w0.152: R10.1@33.125,67.875 33.225,67.875 34.065,67.035 v1(35.69,67.035)
NON_REM1: R11.1 U2.22 | length 4.6
  Bottom Layer w0.152: v1(39.729,67.798) 42.677,67.798 43.175,67.3 R11.1@43.175,66.4
R\E\S\E\T\: R6.2 U2.26 | length 2
  Bottom Layer w0.152: R6.2@36.125,67.9 36.125,67.997 36.373,68.246 37.279,68.246 v1(37.725,67.8)
SGND: C38.1 CN5.1 CN5.4 D8.1 D9.1 U14.5 U14.7 | length 8.6
  Top Layer w0.152: U14.7@2.965,74.5 2.965,75.046 3.2,75.281 C38.1@3.2,76.225 3.85,76.225 v1(4.325,76.7) ; v1(5.5,75.775) 5.502,75.773 5.502,74.502 U14.5@5.505,74.5 ; CN5.1@8.275,82.125 v1(9.8,82.125) ; v1(15.85,80.6) CN5.4@15.85,82.125
  Bottom Layer w0.152: D9.1@9.575,77.925 v1(10.2,77.925) ; v1(15.9,77.125) 15.925,77.1 D8.1@15.925,76.65
SHIELD: C26A.1 C26B.1 C26C.1 C26D.1 C27A.1 C27B.1 C27C.1 C27D.1 CN2A.0 CN2B.0 CN2C.0 CN2D.0 pad.0@3.5,3.5 pad.0@56.5,3.5 R14A.1 R14B.1 R14C.1 R14D.1 | length 81.4
  Bottom Layer w0.254: CN2A.0@7.78,6 7.78,1.65 CN2A.0@7.68,1.55 C26A.1@10.225,1.55 R14A.1@11.725,1.55 C27A.1@13.225,1.55 CN2A.0@16.32,1.55 ; CN2A.0@16.22,6 16.22,1.65 CN2A.0@16.32,1.55 ; CN2B.0@19.88,6.1 19.78,6 19.78,1.65 CN2B.0@19.68,1.55 ; CN2B.0@28.12,6.1 28.22,6 28.22,1.65 CN2B.0@28.32,1.55 ; CN2C.0@31.88,6.1 31.78,6 31.78,1.65 CN2C.0@31.68,1.55 ; CN2C.0@40.12,6.1 40.22,6 40.22,1.65 CN2C.0@40.32,1.55 ; CN2D.0@43.88,6.1 43.78,6 43.78,1.65 CN2D.0@43.68,1.55 ; CN2D.0@52.12,6.1 52.22,6 52.22,1.65 CN2D.0@52.32,1.55 R14D.1@49.23,1.55 C26D.1@46.225,1.55 CN2D.0@43.68,1.55 ; CN2A.0@16.32,1.55 CN2B.0@19.68,1.55 ; CN2B.0@19.68,1.55 C26B.1@22.225,1.55 R14B.1@25.23,1.55 CN2B.0@28.32,1.55 ; CN2B.0@28.32,1.55 CN2C.0@31.68,1.55 ; CN2C.0@31.68,1.55 C26C.1@34.225,1.55 R14C.1@37.23,1.55 CN2C.0@40.32,1.55 ; CN2C.0@40.32,1.55 CN2D.0@43.68,1.55
USB_CN_N: CN3.A7 CN3.B7 L4.1 U9.1 | length 8.6
  Top Layer w0.172: L4.1@32.975,75.6 33.038,75.663 33.038,76.397 v1(33.091,76.45) 33.111,76.469 33.111,77.206 CN3.A7@33.13,77.225 ; CN3.B7@33.88,78.575 33.904,78.598 33.904,79.552 v1(33.927,79.575)
  Layer 4 w0.151: 32.218,76.86 cw(c32.368,76.883) 32.217,76.868 32.202,77.015 cw(c32.353,77.03) 32.245,77.137 32.754,77.645 cw(c32.86,77.537) 32.765,77.655 32.977,77.826 ccw(c32.707,78.16) 33.007,77.853 ccw(c32.813,78.052) 33.01,77.856 33.266,78.112 ccw(c32.036,79.345) 33.773,79.222 33.777,79.268 ccw(c33.348,79.299) 33.778,79.299 cw(c33.929,79.299) 33.802,79.381 v1(33.927,79.575) ; 32.218,76.859 ccw(c32.368,76.883) 32.231,76.818 32.446,76.367 32.447,76.365 ccw(c32.957,76.609) 32.935,76.044 ccw(c32.94,76.196) 33.091,76.195 v1@33.091,76.432 ; v1(33.091,76.45) v1@33.091,76.432 ; v1@33.092,76.421 cw(c33.243,76.432) v1@33.091,76.432
  Bottom Layer w0.172: U9.1@32.475,75.85 32.475,75.892 33.033,76.45 v1(33.091,76.45)
USB_CN_P: CN3.A6 CN3.B6 L4.4 U9.2 | length 9.8
  Top Layer w0.172: v1(33.35,79.575) 33.365,79.56 33.365,78.59 CN3.B6@33.38,78.575 ; CN3.A6@33.63,77.225 33.649,77.206 33.649,76.469 v1(33.668,76.45) 33.722,76.397 33.722,75.653 L4.4@33.775,75.6
  Layer 4 w0.151: 32.557,77.842 32.048,77.333 ccw(c32.353,77.03) 31.925,76.987 31.94,76.84 ccw(c32.368,76.883) 31.943,76.818 31.943,76.817 ccw(c33.684,77.09) 32.433,75.849 32.434,75.847 ccw(c32.541,75.954) 32.492,75.811 32.557,75.789 ccw(c32.696,76.195) 32.696,75.766 32.955,75.766 32.957,75.766 ccw(c32.957,76.403) 33.245,75.835 ccw(c33.176,75.969) 33.303,75.887 v1(33.668,76.45) ; 32.557,77.842 cw(c32.754,77.645) 32.56,77.845 cw(c32.86,77.537) 32.59,77.872 32.802,78.042 ccw(c32.707,78.16) 32.813,78.052 33.069,78.309 ; 33.07,78.309 ccw(c32.036,79.345) 33.496,79.242 33.499,79.287 ccw(c33.348,79.299) 33.475,79.381 v1(33.35,79.575)
  Bottom Layer w0.172: v1@33.53,76.45 v1(33.668,76.45) 33.727,76.45 34.275,75.902 U9.2@34.275,75.85
USB_DS1_N: L2A.4 U2.1 | length 73.8
  Top Layer w0.172: v1(12.439,12.275) 12.439,12.2 12.3,12.061 12.3,11.365 12.4,11.264 12.436,11.264 12.55,11.15 L2A.4@12.55,10.9 ; U2.1@37.225,62.3 37.225,61.961 37.325,61.86 37.325,60.755 37.664,60.417 37.664,60.22 v1(37.717,60.167)
  Layer 4 w0.151: v1(12.439,12.275) 12.439,12.356 12.289,12.505 12.289,13.474 16.075,17.26 16.075,24.269 15.993,24.35 15.322,25.022 15.322,56.047 17.468,58.193 35.211,58.193 37.104,60.085 37.335,60.316 37.487,60.316 37.636,60.167 v1(37.717,60.167)
USB_DS1_P: L2A.1 U2.2 | length 74.4
  Top Layer w0.172: L2A.1@11.75,10.9 11.75,11.15 11.864,11.264 11.9,11.264 12,11.365 12,12.061 11.862,12.2 v1(11.862,12.275) ; U2.2@37.725,62.3 37.725,61.961 37.625,61.86 37.625,60.879 37.875,60.628 38.072,60.628 v1(38.125,60.575)
  Layer 4 w0.151: v1(11.862,12.275) 11.862,12.356 12.011,12.505 12.011,13.589 15.797,17.375 15.797,24.153 15.043,24.907 15.043,56.162 17.352,58.471 35.096,58.471 36.989,60.364 37.22,60.595 38.105,60.595 v1(38.125,60.575)
USB_DS2_N: L2B.4 U2.3 | length 63.8
  Top Layer w0.172: v1(24.439,12.275) 24.439,12.2 24.3,12.061 24.3,11.365 24.4,11.264 24.436,11.264 24.55,11.15 L2B.4@24.55,10.9 ; U2.3@38.225,62.3 38.225,61.961 38.325,61.86 38.325,61.118 39.215,60.229 39.215,60.22 39.342,60.092 v1(39.342,60.017)
  Layer 4 w0.151: v1(24.439,12.275) 24.439,12.356 24.289,12.505 24.289,12.864 25.175,13.75 27.565,13.75 29.103,15.288 29.103,20.578 30.228,21.703 30.228,25.322 29.472,26.078 29.472,55.647 31.461,57.636 36.205,57.636 38.447,59.878 38.735,60.166 39.112,60.166 39.285,59.993 39.285,59.96 v1(39.342,60.017)
USB_DS2_P: L2B.1 U2.4 | length 64.3
  Top Layer w0.172: L2B.1@23.75,10.9 23.75,11.15 23.864,11.264 23.9,11.264 24,11.365 24,12.061 23.862,12.2 v1(23.862,12.275) ; U2.4@38.725,62.3 38.725,61.961 38.625,61.86 38.625,61.242 39.388,60.478 39.697,60.478 v1(39.75,60.425)
  Layer 4 w0.151: v1(23.862,12.275) 23.862,12.356 24.011,12.505 24.011,12.98 25.06,14.028 27.45,14.028 28.825,15.403 28.825,20.694 29.95,21.819 29.95,25.206 29.193,25.963 29.193,55.762 31.346,57.914 36.089,57.914 38.332,60.157 38.62,60.445 39.73,60.445 v1(39.75,60.425)
USB_DS3_N: L2C.4 U2.6 | length 65
  Top Layer w0.172: v1(36.439,12.275) 36.439,12.2 36.3,12.061 36.3,11.365 36.4,11.264 36.436,11.264 36.55,11.15 L2C.4@36.55,10.9 ; U2.6@39.725,62.3 39.725,61.961 39.825,61.86 39.825,61.28 39.922,61.183 39.922,61.058 40.736,60.245 41.295,60.245 v1(41.325,60.275)
  Layer 4 w0.151: v1(36.439,12.275) 36.439,12.356 36.289,12.505 36.289,12.961 36.126,13.124 36.013,13.237 35.85,13.4 32.844,13.4 30.785,15.459 30.785,25.759 30.128,26.415 30.128,54.741 32.384,56.997 37.32,56.997 40.589,60.265 40.73,60.265 40.74,60.255 41.305,60.255 v1(41.325,60.275)
USB_DS3_P: L2C.1 U2.7 | length 64.1
  Top Layer w0.172: L2C.1@35.75,10.9 35.75,11.15 35.864,11.264 35.9,11.264 36,11.365 36,12.061 35.862,12.2 v1(35.862,12.275) ; U2.7@40.225,62.3 40.225,61.961 40.125,61.86 40.125,61.404 40.221,61.307 40.221,61.182 40.667,60.736 40.864,60.736 v1(40.917,60.683)
  Layer 4 w0.151: v1(35.862,12.275) 35.862,12.356 36.011,12.505 36.011,12.845 35.735,13.122 32.728,13.122 32.647,13.203 31.85,14 30.507,15.343 30.507,25.643 29.85,26.3 29.85,54.856 32.269,57.275 37.205,57.275 40.556,60.626 40.86,60.626 v1(40.917,60.683)
USB_DS4_N: L2D.4 U2.8 | length 56.6
  Top Layer w0.172: U2.8@40.725,62.3 40.725,61.961 40.825,61.86 40.825,61.468 41.756,60.537 42.711,60.537 42.85,60.398 v1(42.925,60.398) ; v1(48.439,12.275) 48.439,12.2 48.3,12.061 48.3,11.365 48.4,11.264 48.436,11.264 48.55,11.15 L2D.4@48.55,10.9
  Layer 4 w0.151: v1(42.925,60.398) 42.844,60.398 42.695,60.547 42.473,60.547 42.378,60.453 42.378,59.622 43.987,58.013 44.15,57.85 44.15,29.9 44.25,29.8 44.851,29.199 44.851,27.142 45.381,26.613 45.381,18.075 44.978,17.672 44.978,16.412 48.289,13.102 48.289,12.505 48.439,12.356 v1(48.439,12.275)
USB_DS4_P: L2D.1 U2.9 | length 56.6
  Top Layer w0.172: U2.9@41.225,62.3 41.225,61.961 41.125,61.86 41.125,61.592 41.88,60.836 42.711,60.836 42.85,60.975 v1(42.925,60.975) ; L2D.1@47.75,10.9 47.75,11.15 47.864,11.264 47.9,11.264 48,11.365 48,12.061 47.862,12.2 v1(47.862,12.275)
  Layer 4 w0.151: v1(42.925,60.975) 42.844,60.975 42.695,60.826 42.358,60.826 42.1,60.568 42.1,59.506 43.872,57.735 43.872,29.785 44.035,29.622 44.573,29.083 44.573,27.027 45.103,26.497 45.103,18.19 44.7,17.787 44.7,16.297 48.011,12.986 48.011,12.505 47.862,12.356 v1(47.862,12.275)
USB_DS_CNA_N: CN2A.A7 CN2A.B7 L2A.3 U6A.1 | length 12.4
  Top Layer w0.172: v1(11.582,4.6) ccw(c11.535,4.646) 11.601,4.646 11.601,5.379 cw(c11.666,5.379) CN2A.B7@11.62,5.425 ; CN2A.A7@12.404,6.809 CN2A.A7@12.37,6.775 12.322,6.823 12.322,7.247 12.3,7.27 12.3,8.286 12.439,8.425 v1(12.439,8.5) 12.492,8.553 12.492,9.142 L2A.3@12.55,9.2
  Layer 4 w0.151: 10.925,9.043 10.925,7.504 ccw(c11.355,7.505) 10.925,7.491 10.925,7.487 ; 10.925,9.044 cw(c11.887,9.044) 11.207,9.725 cw(c11.51,9.42) 11.511,9.85 11.693,9.849 cw(c11.691,9.42) 11.995,9.723 cw(c11.799,9.526) 11.997,9.722 ; 10.925,7.486 10.928,7.423 ; 10.928,7.422 cw(c10.776,7.419) 10.926,7.398 10.925,7.389 ccw(c12.301,7.389) 11.328,6.417 cw(c10.355,5.444) 11.731,5.444 11.731,4.96 cw(c11.416,4.96) 11.639,4.738 ccw(c11.777,4.6) v1(11.582,4.6) ; 11.997,9.721 cw(c11.295,9.018) 12.289,9.024 cw(c11.859,9.022) 12.287,8.979 12.268,8.791 ccw(c12.418,8.776) 12.301,8.68 12.416,8.537 cw(c12.299,8.442) v1(12.439,8.5) ; v1(12.439,8.5) ccw(c12.243,8.5) 12.381,8.638 v1(12.439,8.5)
  Bottom Layer w0.172: v1(12.439,8.5) 12.444,8.5 13.05,9.106 U6A.1@13.05,9.2
USB_DS_CNA_P: CN2A.A6 CN2A.B6 L2A.2 U6A.2 | length 11.1
  Top Layer w0.172: L2A.2@11.75,9.2 11.808,9.142 11.808,8.553 v1(11.862,8.5) 11.862,8.425 12,8.286 12,7.245 11.87,7.114 CN2A.A6@11.87,6.775 ; CN2A.B6@12.12,5.425 cw(c12.074,5.379) 12.139,5.379 12.139,4.646 ccw(c12.205,4.646) v1(12.159,4.6)
  Layer 4 w0.151: 11.203,9.043 11.203,7.505 ccw(c11.355,7.505) 11.203,7.5 11.204,7.496 11.206,7.432 ; 11.203,9.044 cw(c11.887,9.044) 11.403,9.528 cw(c11.51,9.42) 11.51,9.572 11.692,9.571 cw(c11.691,9.42) 11.799,9.526 cw(c11.295,9.018) 12.011,9.023 cw(c11.859,9.022) 12.01,9.007 11.991,8.819 ccw(c12.418,8.776) 11.989,8.775 cw(c11.837,8.775) 11.971,8.704 v1(11.862,8.5) ; 11.206,7.431 11.207,7.409 ccw(c12.579,7.505) 11.606,6.532 cw(c10.634,5.559) 12.009,5.559 12.009,4.96 ccw(c12.324,4.96) 12.101,4.738 cw(c11.963,4.6) v1(12.159,4.6)
  Bottom Layer w0.172: U6A.2@11.25,9.2 11.25,9.106 11.856,8.5 v1(11.862,8.5)
USB_DS_CNB_N: CN2B.A7 CN2B.B7 L2B.3 U6B.1 | length 18.3
  Top Layer w0.172: v1(23.582,4.6) ccw(c23.535,4.646) 23.601,4.646 23.601,5.379 cw(c23.666,5.379) CN2B.B7@23.62,5.425 ; L2B.3@24.55,9.2 24.492,9.142 v1@24.492,8.553 ; 24.3,7.27 CN2B.A7@24.322,7.247 ; 24.3,7.27 24.3,8.286 ; 24.3,7.27 CN2B.A7@24.322,7.247 ; 24.3,7.27 24.3,8.286 ; 24.3,8.286 v1@24.439,8.425 ; 24.3,8.286 v1@24.439,8.425 ; CN2B.A7@24.322,6.823 CN2B.A7@24.322,7.247 ; CN2B.A7@24.322,6.823 CN2B.A7@24.37,6.775 ; CN2B.A7@24.322,6.823 CN2B.A7@24.322,7.247 ; CN2B.A7@24.322,6.823 CN2B.A7@24.37,6.775 ; CN2B.A7@24.37,6.775 24.404,6.809 CN2B.A7@24.37,6.775 ; v1@24.439,8.425 v1(24.439,8.5) ; v1@24.439,8.425 v1(24.439,8.5) ; v1(24.439,8.5) v1@24.492,8.553 ; v1(24.439,8.5) v1@24.492,8.553
  Layer 4 w0.151: 22.925,9.043 22.925,7.504 ; 22.925,9.044 cw(c23.887,9.044) 23.207,9.725 cw(c23.51,9.42) 23.511,9.85 23.693,9.849 cw(c23.691,9.42) 23.995,9.723 cw(c23.799,9.526) 23.997,9.722 ; 23.997,9.721 cw(c23.295,9.018) 24.289,9.024 cw(c23.859,9.022) 24.287,8.979 ; 22.925,7.389 ccw(c24.301,7.389) 23.328,6.417 ; 22.925,7.389 ccw(c24.301,7.389) 23.328,6.417 ; 22.925,7.389 22.926,7.398 ; 22.925,7.389 22.926,7.398 ; 22.925,7.491 cw(c23.355,7.505) 22.925,7.504 ; 22.925,7.491 cw(c23.355,7.505) 22.925,7.504 ; 22.925,7.491 22.925,7.487 22.925,7.491 ; 22.926,7.398 ccw(c22.776,7.419) 22.928,7.422 cw(c22.776,7.419) 22.926,7.398 ; 23.328,6.417 cw(c22.355,5.444) 23.731,5.444 ; 23.328,6.417 cw(c22.355,5.444) 23.731,5.444 ; v1@23.639,4.738 ccw(c23.777,4.6) v1(23.582,4.6) cw(c23.777,4.6) v1@23.639,4.738 ; v1@23.639,4.738 ccw(c23.416,4.96) 23.731,4.96 ; v1@23.639,4.738 ccw(c23.416,4.96) 23.731,4.96 ; 23.731,4.96 23.731,5.444 ; 23.731,4.96 23.731,5.444 ; 24.268,8.791 ccw(c24.418,8.776) 24.301,8.68 ; 24.268,8.791 ccw(c24.418,8.776) 24.301,8.68 ; 24.268,8.791 24.287,8.979 ; 24.268,8.791 24.287,8.979 ; 24.301,8.68 v1@24.416,8.537 ; 24.301,8.68 v1@24.416,8.537 ; v1@24.381,8.638 cw(c24.243,8.5) v1(24.439,8.5) ; v1@24.381,8.638 cw(c24.243,8.5) v1(24.439,8.5) ; v1@24.381,8.638 v1(24.439,8.5) ; v1@24.381,8.638 v1(24.439,8.5) ; v1@24.416,8.537 cw(c24.299,8.442) v1(24.439,8.5) ; v1@24.416,8.537 cw(c24.299,8.442) v1(24.439,8.5) ; 22.925,7.486 22.928,7.423 22.925,7.486
  Bottom Layer w0.172: U6B.1@25.05,9.2 25.05,9.106 v1@24.444,8.5 ; v1@24.444,8.5 v1(24.439,8.5) v1@24.444,8.5
USB_DS_CNB_P: CN2B.A6 CN2B.B6 L2B.2 U6B.2 | length 16.6
  Top Layer w0.172: L2B.2@23.75,9.2 23.808,9.142 v1@23.808,8.553 ; CN2B.B6@24.12,5.425 cw(c24.074,5.379) 24.139,5.379 24.139,4.646 ccw(c24.205,4.646) v1(24.159,4.6) ; v1@23.808,8.553 v1(23.862,8.5) ; v1@23.808,8.553 v1(23.862,8.5) ; v1@23.862,8.425 24,8.286 ; v1@23.862,8.425 v1(23.862,8.5) ; v1@23.862,8.425 24,8.286 ; v1@23.862,8.425 v1(23.862,8.5) ; CN2B.A6@23.87,7.114 CN2B.A6@23.87,6.775 CN2B.A6@23.87,7.114 ; CN2B.A6@23.87,7.114 24,7.245 ; CN2B.A6@23.87,7.114 24,7.245 ; 24,7.245 24,8.286 ; 24,7.245 24,8.286
  Layer 4 w0.151: 23.203,9.043 23.203,7.505 ; 23.203,9.044 cw(c23.887,9.044) 23.403,9.528 cw(c23.51,9.42) 23.51,9.572 23.692,9.571 cw(c23.691,9.42) 23.799,9.526 ; 23.8,9.525 cw(c23.295,9.018) 24.011,9.023 cw(c23.859,9.022) 24.01,9.007 23.991,8.819 ; 23.203,7.5 cw(c23.355,7.505) 23.203,7.505 ; 23.203,7.5 cw(c23.355,7.505) 23.203,7.505 ; 23.203,7.5 23.204,7.496 ; 23.203,7.5 23.204,7.496 ; 23.204,7.496 23.206,7.432 23.204,7.496 ; 23.207,7.409 ccw(c24.579,7.505) 23.606,6.532 ; 23.207,7.409 ccw(c24.579,7.505) 23.606,6.532 ; 23.207,7.409 23.206,7.431 23.207,7.409 ; 23.606,6.532 cw(c22.634,5.559) 24.009,5.559 ; 23.606,6.532 cw(c22.634,5.559) 24.009,5.559 ; 23.971,8.704 ccw(c23.837,8.775) 23.989,8.775 ; 23.971,8.704 ccw(c23.837,8.775) 23.989,8.775 ; 23.971,8.704 v1(23.862,8.5) 23.971,8.704 ; 23.989,8.775 cw(c24.418,8.776) 23.991,8.819 ; 23.989,8.775 cw(c24.418,8.776) 23.991,8.819 ; 24.009,4.96 ccw(c24.324,4.96) v1@24.101,4.738 ; 24.009,4.96 ccw(c24.324,4.96) v1@24.101,4.738 ; 24.009,4.96 24.009,5.559 ; 24.009,4.96 24.009,5.559 ; v1@24.101,4.738 cw(c23.963,4.6) v1(24.159,4.6) ccw(c23.963,4.6) v1@24.101,4.738
  Bottom Layer w0.172: U6B.2@23.25,9.2 23.25,9.106 v1@23.856,8.5 ; v1@23.856,8.5 v1(23.862,8.5) v1@23.856,8.5